# Altium PCB IStoreMedicinv1.PcbDoc (part 1 of 2) (continued)
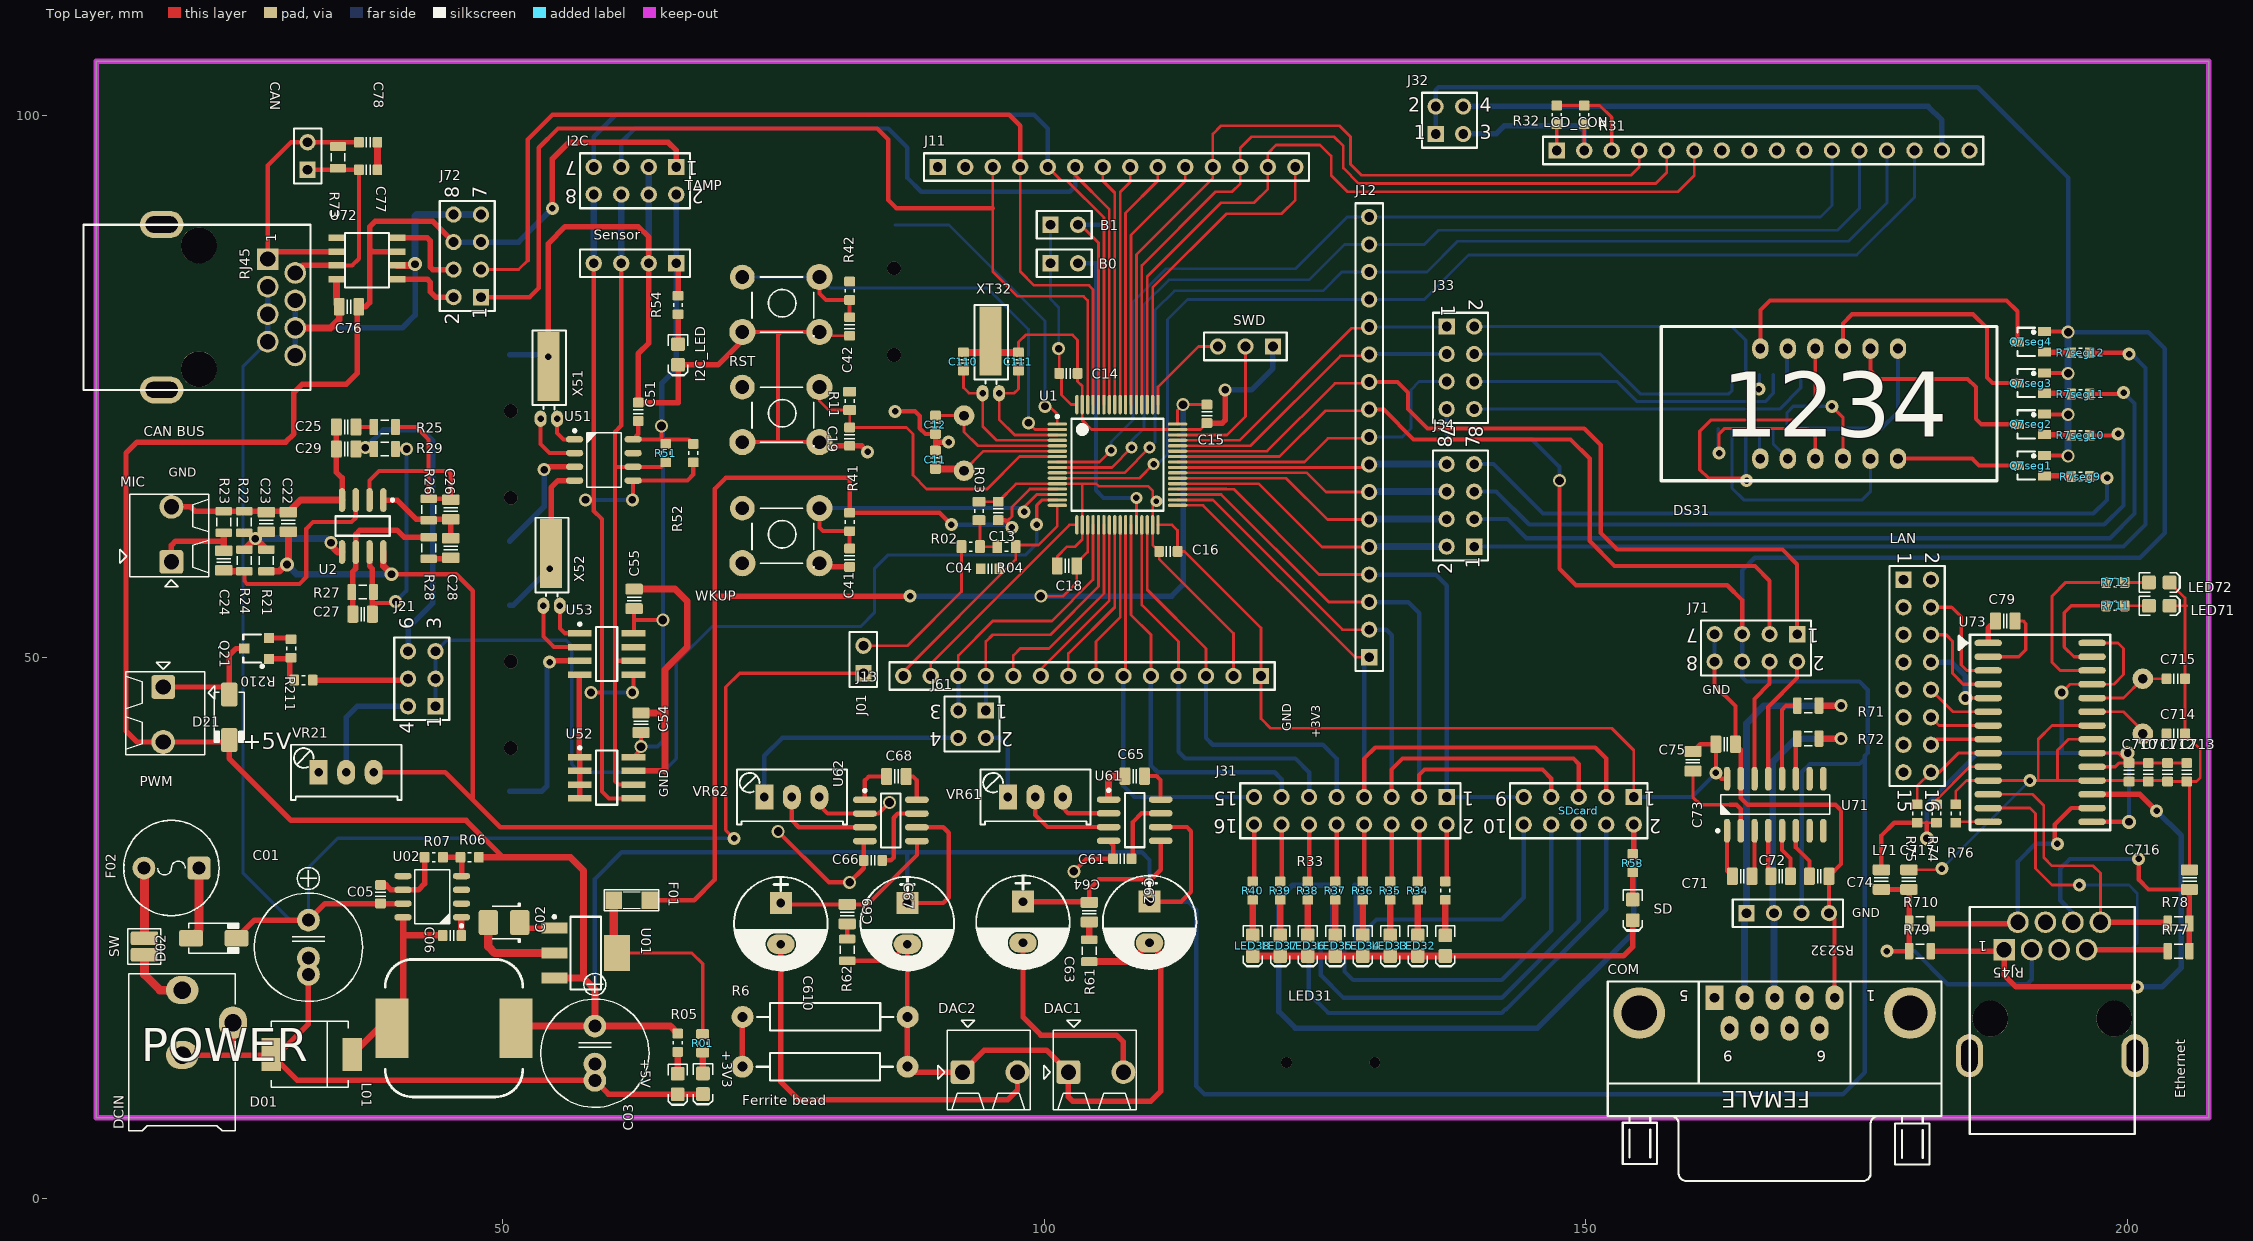
[diagram p0: Top Layer view]
## Footprints (in the part's own frame and the unit in brackets; to place one, negate y for a bottom-side part, rotate by r counter-clockwise, add the part's x,y. Pads: shape width x height; smd on the part's side, far side on the other; paste and mask are expansions set on the pad)
2P_PCB_ScrewTerm_200mil [mm]
  rrect25% 2.2x2.2 hole 1.4: 1(4.826,2.286)
  round 2.2 hole 1.4: 2(4.826,7.366)
  silkscreen extent 0.05,0 8.28,8.54, body extent 0.98,0.88 8.28,8.5, height 8.5
7segx4_small [mm]
  oval 1.5x1.9 hole 0.9: 1(0,0) 2(2.54,0) 3(5.08,0) 4(7.62,0) 5(10.16,0) 6(12.7,0) 7(12.7,10.16) 8(10.16,10.16) 9(7.62,10.16) 10(5.08,10.16) 11(2.54,10.16) 12(0,10.16)
  silkscreen extent -9.14,-2.03 21.84,12.19, body extent -8.66,-1.92 21.34,12.08, height 7
"CAP 3.8mm" [mil] "16V 470uF"
  rect 80x80 hole 31.5: 1(-74,-1)
  oval 70x100 hole 31.5: 2(76,-1)
  silkscreen extent -169,-171 171,169, body extent -159,-158 156,156, height 446
CAPC1608N [mm] "Chip Capacitor, Body 1.6x0.8mm, 0603, IPC Medium Density"
  round 0.254 on Mech14: 0(0,0)
  rrect25% 0.9x1 smd: 1(-0.85,0) 2(0.85,0)
  Top Layer pour cut-out: -0.4,0.6 0.4,0.6 0.4,-0.6 -0.4,-0.6
  silkscreen extent -0.18,-0.48 0.18,0.48, body extent -0.85,-0.45 0.85,0.45, height 0.89
CAPC2012N_F#1 [mm] "Chip Capacitor, Body 2.0x1.2mm, 0805, IPC Medium Density, for Flex circuits"
  round 0.254 on Mech14: 0(0,0)
  rrect25% 1.2x1.4 on Top Solder: 1(-0.9,0) 1(0.9,0)
  rrect25% 1x1.6 smd paste-1: 1(-0.9,0) 2(0.9,0)
  rrect25% 1x1.4 on Top Paste: 1(-0.9,0) 1(0.9,0)
  Top Layer pour cut-out: -0.4,0.8 0.4,0.8 0.4,-0.8 -0.4,-0.8
  silkscreen extent -0.15,-0.65 0.15,0.65, body extent -1.1,-0.72 1.1,0.73, height 1.34
CAPC2012N_F#2 [mm] "Chip Capacitor, Body 2.0x1.2mm, 0805, IPC Medium Density, for Flex circuits"
  round 0.254 on Mech14: 0(0,0)
  rrect25% 1.2x1.4 on Bottom Solder: 1(-0.9,0) 1(0.9,0)
  rrect25% 1x1.6 smd paste-1: 1(-0.9,0) 2(0.9,0)
  rrect25% 1x1.4 on Bottom Paste: 1(-0.9,0) 1(0.9,0)
  Top Layer pour cut-out: -0.4,0.8 0.4,0.8 0.4,-0.8 -0.4,-0.8
  silkscreen extent -0.15,-0.65 0.15,0.65, body extent -1.1,-0.72 1.1,0.73, height 1.34
CAPC2012N_F#3 [mm] "Chip Capacitor, Body 2.0x1.2mm, 0805, IPC Medium Density, for Flex circuits"
  round 0.254 on Mech14: 0(0,0)
  rrect50% 1.2x1.4 on Top Solder: 1(-0.9,0) 1(0.9,0)
  rrect25% 1x1.6 smd paste-1: 1(-0.9,0) 2(0.9,0)
  rrect50% 1x1.4 on Top Paste: 1(-0.9,0) 1(0.9,0)
  Top Layer pour cut-out: -0.4,0.8 0.4,0.8 0.4,-0.8 -0.4,-0.8
  silkscreen extent -0.15,-0.65 0.15,0.65, body extent -1.1,-0.72 1.1,0.73, height 1.34
CAPE3.5-5.0MM_Rad_10x14mm [mm] "3.5 & 5.0mm Pitch Radial Capacitor 10x14mm DxH"
  round 0.5 on Mech14: 0(0,0)
  round 2.1 hole 1.2: 1(-2.5,0) 2(1,0) 2(2.5,0)
  silkscreen extent -7.37,-5 5,5, body extent -5.25,-5.24 5.21,5.24, height 13.99
CAPMP3528X210N [mm] "Molded body capacitor, Body 3.5x2.8mm, 1210, IPC Nominal settings"
  round 0.254 on Mech14: 0(0,0)
  rrect25% 1.8x2.3 smd: 1(-1.45,0) 2(1.45,0)
  Top Layer pour cut-out: -0.508,1.27 0.508,1.27 0.508,-1.27 -0.508,-1.27
  silkscreen extent -1.5,-1.8 1.1,1.8, body extent -1.75,-1.4 1.75,1.4, height 2.1
CONN_PWR_JACK_2.1x5.5mm [mm] "Power Connector, 2.1mm ID, 5.5mm OD"
  oval 3x2.6 hole 1.6: 1(0,-13.7) 2(0,-7.7)
  oval 2.6x3 hole 1.6: 3(-4.7,-10.7)
  silkscreen extent -4.9,-15.22 4.92,-0.7, body extent -4.9,-14.1 4.5,0, height 11
CR1220 [mm]
  rect 3x5 smd: 1(7.5,-1) 2(7.5,16.2)
  silkscreen extent 0,0 14.9,15.3, body extent -0.02,-2.04 14.73,16.76, height 4.23
"DB 9 Female" [mil] "COM DB 9 Female"
  rect 65x90 hole 35.43: 1(393.89,692.91)
  oval 65x90 hole 35.43: 2(502.95,692.91) 3(612,692.91) 4(721.06,692.91) 5(830.11,692.91) 6(448.42,581.09) 7(557.47,581.09) 8(666.53,581.09) 9(775.58,581.09)
  round 187.4 hole 128.35: 10(1103.93,637) 11(120.07,637)
  silkscreen extent 6,27 1218,751, body extent 5,17 1218,747, height 490
DO-214AC [mm] "JEDEC DO214 variation AC. SMA"
  round 0.508 on Mech14: 0(0,0)
  rrect25% 2.2x1.5 smd: A(-2.1,0) K(2.1,0)
  silkscreen extent -2.3,-1.4 2.3,1.4, body extent -2.6,-1.3 2.6,1.3, height 2.42
FUSE_SR-5-BK [mm]
  round 0.5 on Mech14: 0(0,0)
  rrect25% 2.1x2.1 hole 1.2: 1(-2.54,0)
  round 2.1 hole 1.2: 2(2.54,0)
  silkscreen extent -4.4,-4.4 4.4,4.4, body extent -4.35,-4.32 4.35,4.32, height 8.29
HDR1X2 [mm] "Connector; Header; 2 Position"
  rect 1.5x1.5 hole 0.9: 1(0,0)
  round 1.5 hole 0.9: 2(2.54,0)
  silkscreen extent -1.27,-1.27 3.81,1.27, body extent -1.27,-1.27 3.81,1.27, height 7
HDR1X3 [mm] "Connector; Header; 3 Position"
  rect 1.5x1.5 hole 0.9: 1(0,0)
  round 1.5 hole 0.9: 2(2.54,0) 3(5.08,0)
  silkscreen extent -1.27,-1.27 6.35,1.27, body extent -1.27,-1.27 6.35,1.27, height 7
HDR1X4 [mm] "Connector; Header; 4 Position"
  rect 1.5x1.5 hole 0.9: 1(0,0)
  round 1.5 hole 0.9: 2(2.54,0) 3(5.08,0) 4(7.62,0)
  silkscreen extent -1.27,-1.27 8.89,1.27
HDR1X14 [mm] "Connector; Header; 14 Position"
  rect 1.5x1.5 hole 0.9: 1(0,0)
  round 1.5 hole 0.9: 2(2.54,0) 3(5.08,0) 4(7.62,0) 5(10.16,0) 6(12.7,0) 7(15.24,0) 8(17.78,0) 9(20.32,0) 10(22.86,0) 11(25.4,0) 12(27.94,0) 13(30.48,0) 14(33.02,0)
  silkscreen extent -1.27,-1.27 34.29,1.27
HDR1X16 [mm] "Connector; Header; 16 Position"
  rect 1.5x1.5 hole 0.9: 1(0,0)
  round 1.5 hole 0.9: 2(2.54,0) 3(5.08,0) 4(7.62,0) 5(10.16,0) 6(12.7,0) 7(15.24,0) 8(17.78,0) 9(20.32,0) 10(22.86,0) 11(25.4,0) 12(27.94,0) 13(30.48,0) 14(33.02,0) 15(35.56,0) 16(38.1,0)
  silkscreen extent -1.27,-1.27 39.37,1.27, body extent -1.27,-1.27 39.37,1.27, height 7
HDR1X17 [mm] "Connector; Header; 17 Position"
  rect 1.5x1.5 hole 0.9: 1(0,0)
  round 1.5 hole 0.9: 2(2.54,0) 3(5.08,0) 4(7.62,0) 5(10.16,0) 6(12.7,0) 7(15.24,0) 8(17.78,0) 9(20.32,0) 10(22.86,0) 11(25.4,0) 12(27.94,0) 13(30.48,0) 14(33.02,0) 15(35.56,0) 16(38.1,0) 17(40.64,0)
  silkscreen extent -1.27,-1.27 41.91,1.27
HDR2X2 [mm] "Connector; Header; 2x2 Position"
  rect 1.5x1.5 hole 0.9: 1(0,0)
  round 1.5 hole 0.9: 2(0,2.54) 3(2.54,0) 4(2.54,2.54)
  silkscreen extent -1.27,-1.27 3.81,3.81
HDR2X3_CEN [mm] "Connector; Header; 3x2 Position"
  rect 1.5x1.5 hole 0.9: 1(0,0)
  round 1.5 hole 0.9: 2(2.54,0) 3(5.08,0) 4(0,2.54) 5(2.54,2.54) 6(5.08,2.54)
  silkscreen extent -1.27,-1.27 6.35,3.81
HDR2X4 [mm] "Connector; Header; 4x2 Position"
  rect 1.5x1.5 hole 0.9: 1(0,0)
  round 1.5 hole 0.9: 2(0,2.54) 3(2.54,0) 4(2.54,2.54) 5(5.08,0) 6(5.08,2.54) 7(7.62,0) 8(7.62,2.54)
  silkscreen extent -1.27,-1.27 8.89,3.81
HDR2X5 [mm] "Connector; Header; 5x2 Position"
  rect 1.5x1.5 hole 0.9: 1(0,0)
  round 1.5 hole 0.9: 2(0,2.54) 3(2.54,0) 4(2.54,2.54) 5(5.08,0) 6(5.08,2.54) 7(7.62,0) 8(7.62,2.54) 9(10.16,0) 10(10.16,2.54)
  silkscreen extent -1.27,-1.27 11.43,3.81
HDR2X8 [mm] "Connector; Header; 8x2 Position"
  rect 1.5x1.5 hole 0.9: 1(0,0)
  round 1.5 hole 0.9: 2(0,2.54) 3(2.54,0) 4(2.54,2.54) 5(5.08,0) 6(5.08,2.54) 7(7.62,0) 8(7.62,2.54) 9(10.16,0) 10(10.16,2.54) 11(12.7,0) 12(12.7,2.54) 13(15.24,0) 14(15.24,2.54) 15(17.78,0) 16(17.78,2.54)
  silkscreen extent -1.27,-1.27 19.05,3.81
"Inductor 12x12x6" [mil]
  rect 120x215 smd: 1(25,250) 2(475,250)
  silkscreen extent 0,0 500,500, body extent -50,-47 544,547, height 337
JUMP1 [mil] "SMT Battery jumper pads"
  rrect25% 50x100 smd: 1(-30,0) 2(30,0)
  rrect25% 118x108 on Top Solder: SM(0,0)
  silkscreen extent -65,-60 65,60
LED-0805-K [mil]
  round 20 on Mech14: 0(0,0)
  rrect25% 50x50 smd: A(-37.5,0) K(37.5,0)
  Top Layer pour cut-out: -15,30 15,30 15,-30 -15,-30
  silkscreen extent -72,-35 77,35, body extent -39,-25 39,25, height 31
M08A_N [mm] "SOIC, 8-Leads, Body 4.9x3.9mm, Pitch 1.27mm, IPC Medium Density"
  oval 2.2x0.6 smd: 1(-2.4,1.905) 2(-2.4,0.635) 3(-2.4,-0.635) 4(-2.4,-1.905) 5(2.4,-1.905) 6(2.4,-0.635) 7(2.4,0.635) 8(2.4,1.905)
  silkscreen extent -2.52,-2.5 0.9,2.88, body extent -2,-2.5 2,2.5, height 1.75
microsd [mm]
  rect 0.8x1.5 smd: 1(5.004,-0.804) 2(6.104,-0.804) 3(7.204,-0.804) 4(8.304,-0.804) 5(9.404,-0.804) 6(10.504,-0.804) 7(11.604,-0.804) 8(12.704,-0.804) 9(13.804,-0.804)
  rect 1.5x2 smd: 10(15.596,0) 11(15.596,9.95) 12(-1.219,9.95) 13(0,0)
  silkscreen extent -0.3,-1.84 14.73,14.56, body extent -0.3,-0.32 14.73,16.86, height 1.85
RESC1608N_F#1 [mm] "Chip Resistor, Body 1.6x0.8mm, 0603, IPC Medium Density, for Flex circuits"
  round 0.254 on Mech14: 0(0,0)
  rrect25% 1.1x1 on Top Solder: 1(-0.85,0) 1(0.85,0)
  rrect25% 0.9x1.2 smd paste-1: 1(-0.85,0) 2(0.85,0)
  rrect25% 0.9x1 on Top Paste: 1(-0.85,0) 1(0.85,0)
  Top Layer pour cut-out: -0.4,0.6 0.4,0.6 0.4,-0.6 -0.4,-0.6
  silkscreen extent -0.15,-0.41 0.15,0.41, body extent -0.87,-0.47 0.88,0.48, height 0.54
RESC1608N_F#2 [mm] "Chip Resistor, Body 1.6x0.8mm, 0603, IPC Medium Density, for Flex circuits"
  round 0.254 on Mech14: 0(0,0)
  rrect25% 1.1x1 on Bottom Solder: 1(-0.85,0) 1(0.85,0)
  rrect25% 0.9x1.2 smd paste-1: 1(-0.85,0) 2(0.85,0)
  rrect25% 0.9x1 on Bottom Paste: 1(-0.85,0) 1(0.85,0)
  Top Layer pour cut-out: -0.4,0.6 0.4,0.6 0.4,-0.6 -0.4,-0.6
  silkscreen extent -0.15,-0.41 0.15,0.41, body extent -0.87,-0.47 0.88,0.48, height 0.54
RESC1608N_ZERO [mm] "Chip Resistor, Body 1.6x0.8mm, 0603, IPC Medium Density"
  round 0.254 on Mech14: 0(0,0)
  rrect25% 0.9x1 smd: 1(-0.85,0) 2(0.85,0)
  Top Layer pour cut-out: -0.4,0.6 0.4,0.6 0.4,-0.6 -0.4,-0.6
  silkscreen extent -0.15,-0.41 0.15,0.41, body extent -0.87,-0.47 0.88,0.48, height 0.54
RESC2012N_F#1 [mm] "Chip Resistor, Body 2.0x1.2mm, 0805, IPC Medium Density"
  round 0.254 on Mech14: 0(0,0)
  rrect25% 1x1.3 on Top Solder: 1(-1,0) 1(1,0)
  rrect25% 0.8x1.5 smd paste-1: 1(-1,0) 2(1,0)
  rrect25% 0.8x1.3 on Top Paste: 1(-1,0) 1(1,0)
  Top Layer pour cut-out: -0.6,0.75 0.6,0.75 0.6,-0.75 -0.6,-0.75
  silkscreen extent -0.38,-0.64 0.38,0.64, body extent -1.1,-0.67 1.1,0.68, height 0.69
RESC2012N_F#2 [mm] "Chip Resistor, Body 2.0x1.2mm, 0805, IPC Medium Density"
  round 0.254 on Mech14: 0(0,0)
  rrect50% 1x1.3 on Top Solder: 1(-1,0) 1(1,0)
  rrect25% 0.8x1.5 smd paste-1: 1(-1,0) 2(1,0)
  rrect50% 0.8x1.3 on Top Paste: 1(-1,0) 1(1,0)
  Top Layer pour cut-out: -0.6,0.75 0.6,0.75 0.6,-0.75 -0.6,-0.75
  silkscreen extent -0.38,-0.64 0.38,0.64, body extent -1.1,-0.67 1.1,0.68, height 0.69
RESTH_0.0R_AXIAL-0.6 [mil] "Axial Resistor 0 Ohm, Thru-Hole; 2 Leads; 0.6 in Pin Spacing"
  round 80 hole 36: 1(-300,0) 2(300,0)
  silkscreen extent -248,-50 248,50, body extent -312,-52 312,52, height 103
RJ45 [mm]
  rect 2x2 hole 1.4: 1(12.04,3.937)
  round 2 hole 1.4: 2(10.77,1.397) 3(9.5,3.937) 4(8.23,1.397) 5(6.96,3.937) 6(5.69,1.397) 7(4.42,3.937) 8(3.15,1.397)
  oval 2.5x4 hole 1.5 slot 3 at 90 deg: 13(-0.025,13.716) 14(15.24,13.716)
  round 3.3 hole 3.3: Hole31(13.31,10.287) Hole32(1.88,10.287)
  silkscreen extent -0.03,0 15.21,20.96, body extent -1.98,-0.51 17.02,21.08, height 15.07
"SMD 1206" [mil]
  rect 60x65 smd: 1(-65,0) 2(65,0)
  silkscreen extent -99,-38 99,39, body extent -83,-35 83,36, height 25
"SMD diode" [mm] "SS54 SS34"
  rect 1.8x3.048 smd: A(7.62,0) K(0.1,0)
  silkscreen extent 0.51,-3.05 7.62,3.05, body extent -0.08,-3.05 8.05,3.05, height 2.4
SOIC16 [mm]
  oval 2x0.6 smd: 1(-2.575,4.24) 2(-2.575,2.97) 3(-2.575,1.7) 4(-2.575,0.43) 5(-2.575,-0.84) 6(-2.575,-2.11) 7(-2.575,-3.38) 8(-2.575,-4.65) 9(2.425,-4.65) 10(2.425,-3.38) 11(2.425,-2.11) 12(2.425,-0.84) 13(2.425,0.43) 14(2.425,1.7) 15(2.425,2.97) 16(2.425,4.24)
  silkscreen extent -2.7,-5.21 1.02,5.22, body extent -2.08,-5.21 1.92,4.79, height 1.73
SOIC127P600X175-8AN [mm] "SOIC, 8-Leads, Body 4.9x3.9mm, Pitch 1.27mm, IPC Medium Density"
  round 1 on Mech14: 0(0,0)
  oval 1.6x0.6 smd paste-2: 1(-2.7,1.905) 2(-2.7,0.635) 3(-2.7,-0.635) 4(-2.7,-1.905) 5(2.7,-1.905) 6(2.7,-0.635) 7(2.7,0.635) 8(2.7,1.905)
  silkscreen extent -2.83,-2.5 1.6,2.82, body extent -3,-2.45 3,2.45, height 1.75
SOIC127P600X175-16AN [mm] "SOIC, 1.27mm pitch, 16 pin, Body 9.9x3.90mm"
  round 1 on Mech14: 0(0,0)
  oval 2.2x0.6 smd: 1(-2.4,4.445) 2(-2.4,3.175) 3(-2.4,1.905) 4(-2.4,0.635) 5(-2.4,-0.635) 6(-2.4,-1.905) 7(-2.4,-3.175) 8(-2.4,-4.445) 9(2.4,-4.445) 10(2.4,-3.175) 11(2.4,-1.905) 12(2.4,-0.635) 13(2.4,0.635) 14(2.4,1.905) 15(2.4,3.175) 16(2.4,4.445)
  silkscreen extent -2.52,-5.03 0.9,5.42, body extent -3,-5 3,5, height 1.75
"SOIC 8" [mm]
  round 1.524 on Top Overlay: 1(0,0)
  rect 1.52x0.6 smd: 1(0,-1.27) 2(0,-2.54) 3(0,-3.81) 4(0,-5.08) 5(5.588,-5.08) 6(5.588,-3.81) 7(5.588,-2.54) 8(5.588,-1.27)
  silkscreen extent 0.76,-5.55 4.83,-0.51, body extent -0.31,-5.67 5.71,-0.67, height 1.75
SOIC-8 [mm] "SOIC, 8-Leads, Body 5,0x4,0mm (max), Pitch 1,27mm, IPC Medium Density"
  rect 2.2x0.6 smd: 1(-2.475,1.905) 2(-2.475,0.635) 3(-2.475,-0.635) 4(-2.475,-1.905) 5(2.475,-1.905) 6(2.475,-0.635) 7(2.475,0.635) 8(2.475,1.905)
  silkscreen extent -2.6,-2.5 0.98,2.88, body extent -3.2,-2.5 3.2,2.5, height 1.75
SOIC-28 [mm] "SOIC, 16-Leads, Body 10.3x7.5mm (max), Pitch 1.27mm, IPC Medium Density"
  oval 2.54x0.6 smd: 1(-4.795,8.255) 2(-4.795,6.985) 3(-4.795,5.715) 4(-4.795,4.445) 5(-4.795,3.175) 6(-4.795,1.905) 7(-4.795,0.635) 8(-4.795,-0.635) 9(-4.795,-1.905) 10(-4.795,-3.175) 11(-4.795,-4.445) 12(-4.795,-5.715) 13(-4.795,-6.985) 14(-4.795,-8.255) 15(4.795,-8.255) 16(4.795,-6.985) 17(4.795,-5.715) 18(4.795,-4.445) 19(4.795,-3.175) 20(4.795,-1.905) 21(4.795,-0.635) 22(4.795,0.635) 23(4.795,1.905) 24(4.795,3.175) 25(4.795,4.445) 26(4.795,5.715) 27(4.795,6.985) 28(4.795,8.255)
  silkscreen extent -7.49,-9.02 6.48,9.02, body extent -5.33,-9.02 5.33,8.96, height 2.65
"SOT23 TOP" [mm]
  rect 0.9x0.95 smd: 1(-0.965,-1.143) 2(0,1.143) 3(0.965,-1.143)
  silkscreen extent -1.77,-0.63 1.3,1.25, body extent -1.46,-1.17 1.46,1.17, height 1
SOT23B [mm] "SOT 23B"
  rect 0.85x1.2 smd: 1(0.94,-1.245) 2(0,1.25) 3(-0.95,-1.25)
  silkscreen extent -1.3,-0.38 1.3,1.25, body extent -1.51,-1.52 1.51,1.49, height 1.27
SOT223-4N [mm] "SOT223, 4-Leads, Body 6.5x3.5mm, Pitch 2.3mm, Lead Span 7mm, IPC Medium Density"
  rect 2.4x1 smd: 1(-2.9,2.3) 2(-2.9,0) 3(-2.9,-2.3)
  rect 2.4x3.3 smd: 4(2.9,0)
  silkscreen extent -3.02,-3.35 1.4,3.47, body extent -1.85,-3.35 1.85,3.35, height 1.8
STM-LQFP64_N [mm] "Thin QFP, 64-Leads, Body 10x10mm, Pitch 0.5mm, IPC Medium Density"
  oval 1.8x0.3 smd: 1(-5.55,3.75) 2(-5.55,3.25) 3(-5.55,2.75) 4(-5.55,2.25) 5(-5.55,1.75) 6(-5.55,1.25) 7(-5.55,0.75) 8(-5.55,0.25) 9(-5.55,-0.25) 10(-5.55,-0.75) 11(-5.55,-1.25) 12(-5.55,-1.75) 13(-5.55,-2.25) 14(-5.55,-2.75) 15(-5.55,-3.25) 16(-5.55,-3.75) 33(5.55,-3.75) 34(5.55,-3.25) 35(5.55,-2.75) 36(5.55,-2.25) 37(5.55,-1.75) 38(5.55,-1.25) 39(5.55,-0.75) 40(5.55,-0.25) 41(5.55,0.25) 42(5.55,0.75) 43(5.55,1.25) 44(5.55,1.75) 45(5.55,2.25) 46(5.55,2.75) 47(5.55,3.25) 48(5.55,3.75)
  oval 0.3x1.8 smd: 17(-3.75,-5.55) 18(-3.25,-5.55) 19(-2.75,-5.55) 20(-2.25,-5.55) 21(-1.75,-5.55) 22(-1.25,-5.55) 23(-0.75,-5.55) 24(-0.25,-5.55) 25(0.25,-5.55) 26(0.75,-5.55) 27(1.25,-5.55) 28(1.75,-5.55) 29(2.25,-5.55) 30(2.75,-5.55) 31(3.25,-5.55) 32(3.75,-5.55) 49(3.75,5.55) 50(3.25,5.55) 51(2.75,5.55) 52(2.25,5.55) 53(1.75,5.55) 54(1.25,5.55) 55(0.75,5.55) 56(0.25,5.55) 57(-0.25,5.55) 58(-0.75,5.55) 59(-1.25,5.55) 60(-1.75,5.55) 61(-2.25,5.55) 62(-2.75,5.55) 63(-3.25,5.55) 64(-3.75,5.55)
  silkscreen extent -5.67,-4.25 4.25,4.57, body extent -5,-5 5,5, height 1.6
SW [mil] "6.25x6.25mm"
  round 90 hole 50: 1(-140,90)
  round 95 hole 50: 1(140,90) 2(-140,-110) 2(140,-110)
  silkscreen extent -105,-125 120,90, body extent -156,-130 156,114, height 276
VR1 [mil] "Variable Resistor"
  rect 65x90 hole 31.5: 1(0,0)
  oval 65x90 hole 31.5: 2(100,0) 3(200,0)
  silkscreen extent -100,-100 301,100, body extent -88,-130 288,110, height 455
XT2 [mm] "Footpin for Crystal 2 pin"
  round 1.905 hole 0.9: 1(-2.54,0) 2(2.54,0)
  silkscreen extent -5.03,-2.29 4.96,2.29, body extent -5.93,-2.36 5.42,2.29, height 3.5
XTminiv2 [mm]
  oval 1.5x1.1 hole 0.6 unplated: 1(0,-2.032) 2(0,-0.508)
  rect 6.35x2.032 smd: 3(4.826,-1.219)
  silkscreen extent 0.86,-2.84 8.13,0.23

## Part data
+3V3 +5V LED31 LED32 LED33 LED34 LED35 LED36 LED37 LED38 LED71 LED72: library part LED_SMD_Blue_0805_100mcd, "LED 0805 SMD Blue 100mcd 470nm"
B0 B1 CAN J01: "Header, 2-Pin"
C02 C04 C11 C12 C13 C14 C15 C16 C18 C19 C71 C72 C73 C74 C75 C76 C77 C78 C110 C111 C714 C715: library part "CAP NP"
C05 C06 C51: library part CAPC_1n_0603_100V, "Capacitor SMD Cer 1nF 10% 100V X7R 0603"
"CAN BUS" Ethernet: library part "Header 8", "Header, 8-Pin"
COM: library part COM9M
D01 D02: library part Diode
DAC1 DAC2 MIC PWM: library part 2P_ScrewTerm_90S_3.81MM, "Terminal Block Screw Type THT 2-Position 3.81mm pitch"
DCIN: "Power Connector, THT, 2.1mm ID, 5.5mm OD"
DS31: library part LED7Q, "Four 7 Seg Dipslay"
F01 F02: library part "Fuse Thermal", "Thermal Fuse"
I2C J33 J34 J71 J72: "Header, 4-Pin, Dual row"
I2C_LED SD: library part LED_SMD_Green_0805, "LED, 0805 SMD, Green"
J11 J13: "Header, 14-Pin"
J12: "Header, 17-Pin"
J21: "Header, 3-Pin, Dual row"
J31 LAN: "Header, 8-Pin, Dual row"
J32 J61: "Header, 2-Pin, Dual row"
LCD_CON: "Header, 16-Pin"
Pin_3V_1 Pin_3V_51 Pin_3V_52: library part Battery, "Multicell Battery"
Q7seg1 Q7seg2 Q7seg3 Q7seg4: "PNP 600mW, ECB"
Q21: library part NPN, "Transistor C828 C1815...."
R01 R02 R03 R04 R11 R12 R13 R73: library part Res
R71 R72: library part Res, "Tro dan 1k"
RS232 Sensor: "Header, 4-Pin"
RST TAMP WKUP: library part "Button I"
SDcard: "Header, 5-Pin, Dual row"
SW: library part JUMP1, "SMD jumper"
SWD: "Header, 3-Pin"
U01: library part AS1117
U1: "ARM Cortex-M3 32-bit MCU, 256 KB Flash, 48 KB Internal RAM, 51 I/Os, 64-pin LQFP, -40 to 85 degC, Tray"
U2: "Low Power Dual Operational Amplifier"
U52: library part 24LC04B
U53: library part DS1307, "Real Timer Serial"
U61 U62: "Low Voltage Audio Power Amplifier"
VR21: library part VR, "Var Resistor"
VR61 VR62: library part VR1, "Var Resistor"
X51 XT XT25M XT32: library part Crystal
X52: library part XT2, "Crystal For all Crystal 2pin."

## Via types
v1: diameter 1.2, hole 0.6, Top Layer to Bottom Layer, tented both sides, 30 vias
v2: diameter 1.2, hole 0.7, Top Layer to Bottom Layer, 15 vias
v3: diameter 1.2, hole 0.8, Top Layer to Bottom Layer, 9 vias
v4: diameter 1.27, hole 1.27, Top Layer to Bottom Layer, 6 vias
v5: diameter 1.2, hole 0.8, Top Layer to Bottom Layer, tented both sides, 5 vias
v6: diameter 1.1, hole 0.6, Top Layer to Bottom Layer, 5 vias
v7: diameter 1.3, hole 0.7, Top Layer to Bottom Layer, tented both sides, 5 vias
v8: diameter 1.27, hole 0.711, Top Layer to Bottom Layer, 3 vias
v9: diameter 1, hole 1, Top Layer to Bottom Layer, 2 vias
v10: diameter 1.2, hole 0.7, Top Layer to Bottom Layer, tented both sides, 1 vias
v11: diameter 1.1, hole 0.5, Top Layer to Bottom Layer, tented both sides, 1 vias

## Nets (pads, with @x,y where several pads share a name; then routed paths per layer and width w, separated by ;. In a path a pad name is that pad's centre, name@x,y a point inside that pad or via, vN(x,y) a via of type N, cw(c..) or ccw(c..) an arc to the next point about the centre after c; other vN are vias at no path point)
7SEG1: J34.7 R7seg9.1 | length 64.5
  Top Layer w0.381: R7seg9.1@196.52,66.669 197.999,66.669 v1(198.12,66.548)
  Bottom Layer w0.381: J34.7@139.7,67.818 141.478,67.818 146.05,63.246 196.85,63.246 198.12,64.516 v1(198.12,66.548)
7SEG2: J34.5 R7seg10.1 | length 71.4
  Top Layer w0.381: R7seg10.1@196.52,70.479 199.003,70.479 v1(199.136,70.612)
  Bottom Layer w0.381: J34.5@139.7,65.278 141.732,65.278 144.78,62.23 197.866,62.23 199.644,64.008 199.644,70.104 v1(199.136,70.612)
7SEG3: J34.3 R7seg11.1 | length 77.4
  Top Layer w0.381: R7seg11.1@196.52,74.289 199.511,74.289 v1(199.644,74.422)
  Bottom Layer w0.381: J34.3@139.7,62.738 142.767,62.738 144.526,60.979 198.393,60.979 200.66,63.246 200.66,73.406 v1(199.644,74.422)
7SEG4: J34.1 R7seg12.1 | length 83
  Top Layer w0.381: R7seg12.1@196.52,78.099 200.031,78.099 v1(200.152,77.978)
  Bottom Layer w0.381: J34.1@139.7,60.198 199.644,60.198 201.676,62.23 201.676,76.708 200.406,77.978 v1(200.152,77.978)
7SEG_1: DS31.12 Q7seg4.2 | length 30.9
  Top Layer w0.381: DS31.12@166.116,78.486 166.116,82.042 166.999,82.925 188.855,82.925 189.848,81.932 Q7seg4.2@189.848,79.115
7SEG_2: DS31.9 Q7seg3.2 | length 24.1
  Top Layer w0.381: DS31.9@173.736,78.486 173.736,80.803 174.588,81.655 185.764,81.655 187.034,80.385 187.034,75.813 187.542,75.305 Q7seg3.2@189.848,75.305
7SEG_3: DS31.8 Q7seg2.2 | length 19.4
  Top Layer w0.381: DS31.8@176.276,78.486 176.276,76.454 177.038,75.692 185.256,75.692 186.018,74.93 186.018,72.003 186.526,71.495 Q7seg2.2@189.848,71.495
7SEG_4: DS31.6 Q7seg1.2 | length 11.3
  Top Layer w0.381: DS31.6@178.816,68.326 185.674,68.326 186.315,67.685 Q7seg1.2@189.848,67.685
7SEGA: DS31.11 U31.15 | length 2.3
  Bottom Layer w0.381: U31.15@168.578,76.085 DS31.11@168.578,78.408
7SEGB: DS31.7 U31.1 | length 15.5
  Bottom Layer w0.381: U31.1@169.848,71.085 177.257,71.085 178.816,72.644 DS31.7@178.816,78.486
7SEGC: DS31.4 U31.2 | length 11.1
  Top Layer w0.3: v1(172.72,73.152) 173.736,72.136 DS31.4@173.736,68.326
  Bottom Layer w0.3: U31.2@168.578,71.085 168.578,72.566 169.164,73.152 v1(172.72,73.152)
7SEGD: DS31.2 U31.3 | length 3.3
  Bottom Layer w0.254: U31.3@167.308,71.085 167.308,69.674 DS31.2@168.656,68.326
7SEGE: DS31.1 U31.4 | length 2.8
  Bottom Layer w0.254: U31.4@166.038,71.085 166.038,68.404 DS31.1@166.116,68.326
7SEGF: DS31.10 U31.5 | length 30
  Top Layer w0.3: v1(164.846,66.294) 164.592,66.548 161.29,66.548 160.528,67.31 160.528,70.866 161.544,71.882 169.672,71.882 171.196,73.406 DS31.10@171.196,78.486
  Bottom Layer w0.3: U31.5@164.768,71.085 164.768,66.294 v1(164.846,66.294)
7SEGG: DS31.5 U31.6 | length 22.1
  Bottom Layer w0.3: U31.6@163.498,71.085 163.498,65.61 164.592,64.516 175.514,64.516 176.276,65.278 DS31.5@176.276,68.326
7SEGH: DS31.3 U31.7 | length 15.5
  Top Layer w0.3: v1(162.306,68.834) 162.306,70.612 162.814,71.12 170.434,71.12 171.196,70.358 DS31.3@171.196,68.326
  Bottom Layer w0.3: U31.7@162.228,71.085 162.228,68.912 v1(162.306,68.834)
+3V3: C02.2 F01.1 R01.2 U01.2 | length 28.4
  Top Layer w0.3: 60.583,22.682 67.488,22.682 68.478,21.692 R01.2@68.478,15.201
  Top Layer w0.762: C02.2@48.69,25.502 48.69,23.269 49.276,22.682 U01.2@54.783,22.682 ; F01.1@60.274,27.559 60.274,22.991 60.583,22.682
+3V3_SD: C52.2 C53.2 MicroSD.4 R53.2 SDcard.2 | length 71.4
  Top Layer w0.508: R53.2@154.432,31.93 SDcard.2@154.432,34.544
  Bottom Layer w0.508: MicroSD.4@126.629,23.406 126.629,28.723 C52.2@126.862,28.956 122.936,28.956 121.666,27.686 121.666,17.272 123.19,15.748 145.542,15.748 154.432,24.638 SDcard.2@154.432,34.544
+5V: C03.1 C62.1 C67.1 C76.2 D21.K I2C.1 J32.1 J32.2 J33.7 J71.5 J71.6 J72.5 J72.6 L01.2 PWM.2 Q7seg1.1 Q7seg2.1 Q7seg3.1 Q7seg4.1 R05.2 R06.2 RS232.3 U01.3 U61.6 U62.6 U72.3 | length 663.2
  Top Layer w0.381: Q7seg1.1@192.343,68.625 v3@194.349,68.625 ; Q7seg2.1@192.343,72.435 192.393,72.384 v3(194.527,72.384) ; Q7seg3.1@192.343,76.245 v3@194.349,76.245 ; Q7seg4.1@192.343,80.055 194.349,80.055 v3@194.4,80.004
  Top Layer w0.4: C67.1@87.376,27.305 90.678,27.305 91.186,27.813 91.186,33.782 90.678,34.29 U62.6@88.252,34.29 ; C62.1@109.728,27.432 112.649,27.432 113.563,28.346 113.563,33.934 113.182,34.315 U61.6@110.756,34.315 ; v5(147.574,66.294) 147.574,58.166 149.098,56.642 163.068,56.642 164.435,55.275 J71.5@164.435,52.122
  Top Layer w0.5: D21.K@24.765,42.35 D21.K@24.765,42.164 ; C76.2@36.722,82.347 36.576,82.201 36.576,76.2 35.56,75.184 31.496,75.184 30.734,74.422 30.734,70.612 29.972,69.85 16.256,69.85 15.24,68.834 15.24,43.18 16.256,42.164 PWM.2@18.669,42.164 D21.K@24.765,42.164 ; 50.038,31.526 46.639,34.925 30.48,34.925 24.765,40.64 D21.K@24.765,42.164
  Top Layer w0.508: C76.2@36.722,82.347 37.346,82.347 37.727,82.728 37.727,87.681 ; U72.3@40.267,87.427 37.981,87.427 37.727,87.681 ; J72.6@45.474,88.316 43.569,90.221 38.235,90.221 37.727,89.713 37.727,87.681 ; v1(54.61,91.44) 54.61,96.012 56.134,97.536 65.278,97.536 66.04,96.774 I2C.1@66.04,95.25
  Top Layer w0.635: R06.2@47.807,31.526 50.038,31.526 56.256,31.526 57.469,30.314 57.469,20.382 ; L01.2@51.232,15.748 51.42,15.937 C03.1@58.522,15.937 ; U01.3@54.783,20.382 57.469,20.382 ; R05.2@66.167,15.252 65.482,15.937 C03.1@58.522,15.937 ; 57.469,20.382 58.522,19.329 C03.1@58.522,15.937
  Bottom Layer w0.4: C03.1@58.522,15.937 58.522,29.522 61,32 109,32 109.728,31.272 C62.1@109.728,27.432 113.284,27.432 114.046,26.67 114.046,10.414 114.808,9.652 173.736,9.652 175.768,11.684 175.768,40.64 ; C67.1@87.376,27.305 87.376,32 ; J32.1@136.144,98.298 J32.2@136.144,100.838 136.144,102.362 136.398,102.616 186.182,102.616 194.527,94.271 v3(194.527,80.004) 201.936,80.004 203.454,78.486 203.454,61.468 201.168,59.182 165.608,59.182 164.435,58.009 J71.5@164.435,52.122 J71.6@164.435,49.582 164.435,48.163 164.846,47.752 175.26,47.752 176.022,46.99 176.022,41.148 175.768,40.894 175.768,40.64 ; J33.7@137.16,72.898 137.16,70.612 137.668,70.104 145.034,70.104 147.574,67.564 v5(147.574,66.294) ; RS232.3@169.924,26.365 169.924,37.592 169.926,37.594 169.926,39.37 170.688,40.132 175.26,40.132 175.768,40.64
  Bottom Layer w0.508: J72.6@45.474,88.316 J72.5@48.014,88.316 51.486,88.316 v1(54.61,91.44)
  Bottom Layer w0.635: v3(194.527,68.574) v3(194.527,72.384) v3(194.527,76.194) v3(194.527,80.004)
+5V_I2C: C51.1 C54.1@62.781,43.047 C55.1@62.146,54.477 I2C.2 R51.2 R52.2 R54.2 Sensor.1 U51.8 U52.8 U53.8 | length 72.9
  Top Layer w0.381: U52.8@62.081,40.772 62.781,41.472 v3(62.781,41.743) C54.1@62.781,43.047 ; U53.8@62.146,52.267 62.146,53.554 ; C55.1@62.146,54.477 62.146,53.554 ; C51.1@62.527,71.799 62.527,70.584 U51.8@62.052,70.109 R51.2@64.676,70.109 ; v3(64.676,71.334) R51.2@64.676,70.109 ; v3(64.803,53.427) 62.273,53.427 62.146,53.554 ; R51.2@65.067,69.689 64.676,70.08 R51.2@64.676,70.109 ; R51.2@65.067,70.109 67.187,70.109 R52.2@67.607,69.689
  Top Layer w0.508: Sensor.1@66.04,86.36 66.2,86.2 R54.2@66.2,83.36
  Bottom Layer w0.381: v3(62.781,41.743) 64.295,41.743 64.803,42.251 v3(64.803,53.427) 64.803,71.207 v3(64.676,71.334)
  Bottom Layer w0.508: v3(64.676,71.334) 64.676,75.271 66.04,76.635 Sensor.1@66.04,86.36 I2C.2@66.04,92.71
+5V_LED: J33.8 U31.10 U31.16 | length 32.2
  Bottom Layer w0.3: J33.8@139.7,72.898 167.894,72.898 169.848,74.852 U31.16@169.848,76.085
ADC1: C04.2 J13.14 R04.1@97.37,60.198 U1.16 | length 22.5
  Top Layer w0.254: J13.14@86.995,48.26 86.995,48.641 97.37,59.016 R04.1@97.37,60.198 ; R04.1@97.536,60.364 98.806,60.364 99.48,60.364 101.217,62.101 U1.16@101.217,64.014
AGND: "Ferrite bead.2" C61.1 C62.2 C66.1 C67.2 DAC1.1 DAC2.1 R6.2 R61.1@104.165,21.896 R62.1@81.813,21.977 U61.2 U61.4 U62.2 U62.4 VR61.3 VR62.3 | length 98.3
  Top Layer w0.4: v5(75.438,33.909) 80.137,29.21 v5(82.042,29.21) 83.351,30.519 C66.1@83.351,31.242 U62.4@83.351,32.919 ; VR62.3@79.248,37.084 79.248,36.322 80.01,35.56 U62.2@83.452,35.56 84.709,35.56 v5(85.725,36.576) ; R62.1@81.813,21.977 85.858,21.977 C67.2@87.376,23.495 R6.2@87.376,16.815 ; VR61.3@101.727,37.084 101.727,36.068 102.21,35.585 U61.2@105.956,35.585 ; v5(102.743,30.226) 103.911,31.394 C61.1@106.363,31.394 106.363,32.638 U61.4@105.956,33.045
  Top Layer w0.5: U62.4@83.351,32.919 U62.4@83.452,33.02 ; R6.2@87.376,16.815 87.376,12.192 87.884,11.684 DAC2.1@92.456,11.684 94.488,13.716 100.203,13.716 DAC1.1@102.235,11.684 102.235,9.398 102.616,9.017 109.855,9.017 110.744,9.906 110.744,22.606 C62.2@109.728,23.622
  Top Layer w0.635: R61.1@104.165,21.896 108.002,21.896 C62.2@109.728,23.622
ANALOG: J21.4 VR21.2 | length 11.2
  Bottom Layer w0.5: VR21.2@35.56,39.37 35.56,44.45 36.576,45.466 J21.4@41.275,45.466
BOOT0: B1.2 R12.2 U1.60 | length 20.2
  Top Layer w0.254: B1.2@103.124,89.916 103.354,89.916 105.017,88.253 U1.60@105.017,73.314
  Bottom Layer w0.4: B1.2@103.124,89.916 R12.2@105.83,89.916
BOOT1: B0.2 R13.2 U1.28 | length 30.2
  Top Layer w0.254: U1.28@108.517,62.214 v6(108.517,64.702)
  Bottom Layer w0.381: B0.2@103.124,86.36 B0.2@103.251,86.36 ; 104.775,86.36 104.775,65.405 105.478,64.702 v6(108.517,64.702)
  Bottom Layer w0.4: B0.2@103.251,86.36 R13.2@105.83,86.36
CAN_RX_PB8R: J72.4 U72.4 | length 7.8
  Top Layer w0.508: U72.4@40.267,88.697 43.061,88.697 43.315,88.443 43.315,86.03 43.569,85.776 J72.4@45.474,85.776
CAN_TX_PB9R: J72.2 U72.1@40.267,84.887 | length 6.4
  Top Layer w0.508: U72.1@40.267,84.887 43.061,84.887 43.315,84.633 43.315,83.744 43.823,83.236 J72.2@45.474,83.236
CANH: "CAN BUS.2" C77.2 CAN.1 R73.1@34.798,95.139 U72.7 | length 19.4
  Top Layer w0.381: CAN.1@32.004,94.996 C77.2@36.742,94.996 36.742,86.78 36.119,86.157 U72.7@34.679,86.157
  Top Layer w0.508: 30.861,85.471 31.547,86.157 U72.7@34.679,86.157
CANL: "CAN BUS.1" C78.2 CAN.2 R73.2 U72.6 | length 23.6
  Top Layer w0.381: 28.321,86.741 28.321,95.377 30.48,97.536 CAN.2@32.004,97.536 C78.2@36.742,97.536
  Top Layer w0.508: 29.007,87.427 U72.6@34.679,87.427
COLUM1: 
COLUM2: 
COLUM3: 
COLUM4: 
COM1_RX: COM.2 R71.2 RS232.1 | length 36.9
  Top Layer w0.635: R71.2@171.531,45.518 v2(173.579,45.518)
  Bottom Layer w0.635: COM.2@164.665,18.565 164.665,26.186 RS232.1@164.844,26.365 164.844,43.895 166.467,45.518 v2(173.579,45.518)
COM1_TX: COM.3 R72.2 RS232.2 | length 31.1
  Top Layer w0.635: R72.2@171.531,42.47 v2(173.579,42.47)
  Bottom Layer w0.635: COM.3@167.435,18.565 167.384,18.616 RS232.2@167.384,26.365 167.257,26.492 167.257,40.335 169.392,42.47 v2(173.579,42.47)
DAC1: J61.4 VR62.1 | length 22.4
  Bottom Layer w0.4: VR62.1@74.168,37.084 74.168,40.894 75.819,42.545 J61.4@92.075,42.545
DAC2: J61.2 VR61.1 | length 7
  Bottom Layer w0.4: J61.2@94.615,42.545 95.885,42.545 96.647,41.783 VR61.1@96.647,37.084
DAC_OUT_1: C63.2 DAC1.2 | length 19.9
  Top Layer w0.5: C63.2@98.044,23.622 98.044,16.764 99.695,15.113 106.68,15.113 107.315,14.478 DAC1.2@107.315,11.684
DAC_OUT_2: C610.2 DAC2.2 | length 37.2
  Top Layer w0.5: C610.2@75.692,23.495 75.692,10.795 77.343,9.144 96.647,9.144 97.536,10.033 DAC2.2@97.536,11.684
ENC_CLK: LAN.4 U73.3 | length 10.3
  Top Layer w0.3: LAN.4@181.864,54.61 183.769,54.61 184.658,53.721 184.658,49.276 185.166,48.768 U73.3@187.153,48.768
ENC_CS: LAN.16 R75.1 U73.9 | length 9.5
  Top Layer w0.254: R75.1@180.594,36.41 180.594,38.1 LAN.16@181.864,39.37
  Top Layer w0.3: LAN.16@181.864,39.37 182.626,39.37 184.404,41.148 U73.9@187.153,41.148
ENC_INT: LAN.6 U73.4 | length 8.9
  Top Layer w0.3: LAN.6@181.864,52.07 183.261,52.07 183.858,51.473 183.858,48.493 184.853,47.498 U73.4@187.153,47.498
ENC_MISO: LAN.10 U73.6 | length 6.1
  Top Layer w0.254: LAN.10@181.864,46.99 183.896,44.958 U73.6@187.153,44.958
ENC_MOSI: LAN.12 U73.7 | length 5.6
  Top Layer w0.254: LAN.12@181.864,44.45 182.626,43.688 U73.7@187.153,43.688
ENC_RST: R74.1 U73.10 | length 6.5
  Top Layer w0.254: R74.1@182.372,36.41 182.372,36.83 185.42,39.878 U73.10@187.153,39.878
ENC_SCK: LAN.14 U73.8 | length 5.5
  Top Layer w0.3: LAN.14@181.864,41.91 182.372,42.418 U73.8@187.153,42.418
EX_OSC_IN: C12.1 U1.5 XT.2 | length 13.3
  Top Layer w0.254: C12.1@89.967,72.3 92.597,72.3 XT.2@92.608,72.288 92.608,70.79 93.884,69.514 U1.5@101.217,69.514
EX_OSC_OUT: C11.1 U1.6 XT.1 | length 12.1
  Top Layer w0.254: XT.1@92.608,67.208 94.414,69.014 U1.6@101.217,69.014
  Top Layer w0.635: C11.1@89.967,67.374 92.442,67.374 XT.1@92.608,67.208